# Altium PCB Main_Board.PcbDoc (part 8 of 19) (continued)
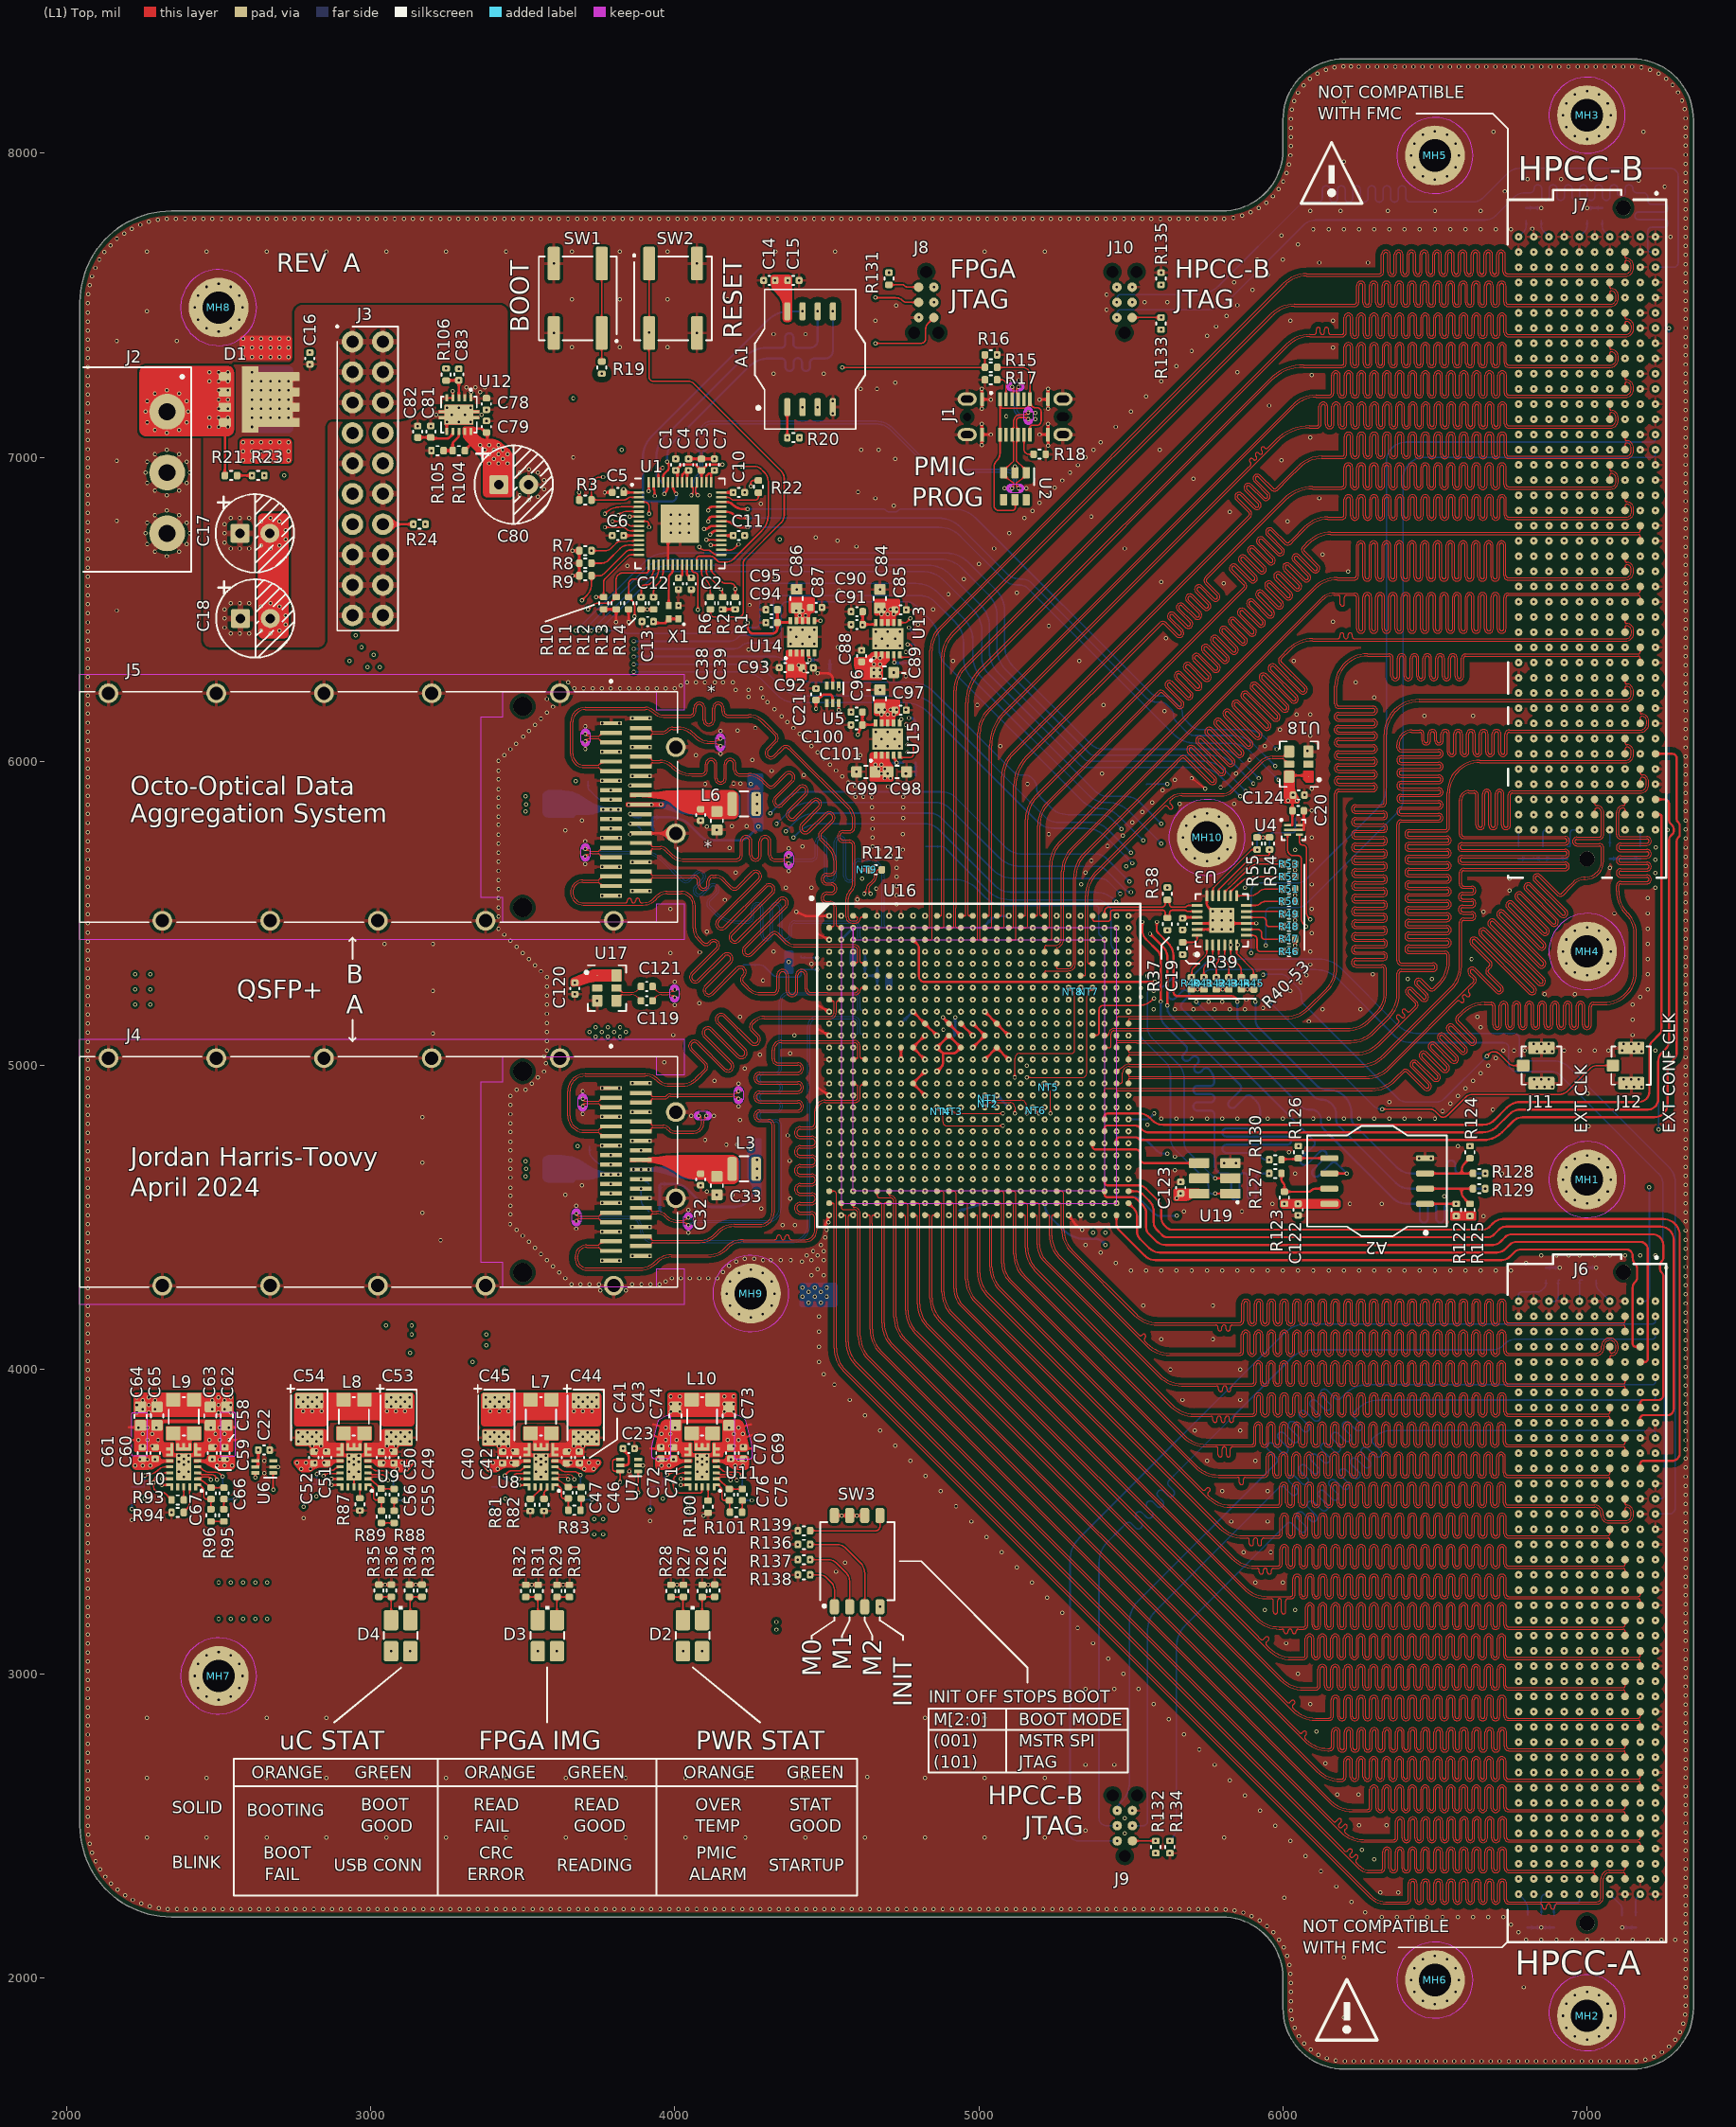
[diagram p0: (L1) Top view]
## Nets (pads, with @x,y where several pads share a name; then routed paths per layer and width w, separated by ;. In a path a pad name is that pad's centre, name@x,y a point inside that pad or via, vN(x,y) a via of type N, cw(c..) or ccw(c..) an arc to the next point about the centre after c; other vN are vias at no path point) (continued)
HPCC_A_46_P: J6.G10 U16.AA17 | length 4082.1
  (L8) Inner 7 w3.5: v1(5137.8,4704.72) 5150.31,4704.72 cw(c5150.31,4701.22) 5152.78,4703.7 cw(c5150.31,4701.22) 5153.81,4701.22 5153.81,4483.77 cw(c5151.33,4483.77) 5153.08,4482.02 ccw(c5154.83,4480.27) 5152.36,4480.27 5152.36,4340.27 ccw(c5261.16,4340.27) 5184.22,4263.33 5670.49,3777.07 ccw(c5747.42,3854) 5747.42,3745.2 6199.33,3745.2 6205.48,3745.2 ccw(c6205.48,3760.75) 6221.03,3760.75 6221.03,3810.85 cw(c6227.78,3810.85) 6234.53,3810.85 6234.53,3760.35 ccw(c6250.08,3760.35) 6265.63,3760.35 6265.63,3810.85 cw(c6272.38,3810.85) 6279.13,3810.85 6279.13,3760.35 ccw(c6294.68,3760.35) 6310.23,3760.35 6310.23,3810.85 cw(c6316.98,3810.85) 6323.73,3810.85 6323.73,3760.35 ccw(c6339.28,3760.35) 6354.83,3760.35 6354.83,3810.85 cw(c6361.58,3810.85) 6368.33,3810.85 6368.33,3760.35 ccw(c6383.88,3760.35) 6399.43,3760.35 6399.43,3810.85 cw(c6406.18,3810.85) 6412.93,3810.85 6412.93,3760.35 ccw(c6428.48,3760.35) 6444.03,3760.35 6444.03,3810.85 cw(c6450.78,3810.85) 6457.53,3810.85 6457.53,3760.35 ccw(c6473.08,3760.35) 6488.63,3760.35 6488.63,3810.85 cw(c6495.38,3810.85) 6502.13,3810.85 6502.13,3760.35 ccw(c6517.68,3760.35) 6533.23,3760.35 6533.23,3810.85 cw(c6539.98,3810.85) 6546.73,3810.85 6546.73,3760.35 ccw(c6562.28,3760.35) 6577.83,3760.35 6577.83,3810.85 cw(c6584.58,3810.85) 6591.33,3810.85 6591.33,3760.35 ccw(c6606.88,3760.35) 6622.43,3760.35 6622.43,3810.85 cw(c6629.18,3810.85) 6635.93,3810.85 6635.93,3760.35 ccw(c6651.48,3760.35) 6667.03,3760.35 6667.03,3810.85 cw(c6673.78,3810.85) 6680.53,3810.85 6680.53,3760.35 ccw(c6696.08,3760.35) 6711.63,3760.35 6711.63,3810.85 cw(c6718.38,3810.85) 6725.13,3810.85 6725.13,3760.75 ccw(c6740.68,3760.75) 6740.68,3745.2 6805,3745.2 6880.8,3745.2 cw(c6880.8,3730) 6896,3730 6896,3718.06 ccw(c6917.86,3718.06) 6917.86,3696.2 6934.16,3696.2 ccw(c6934.16,3716.84) 6954.8,3716.84 6954.8,3729 ccw(c6929,3729) 6929,3754.8 cw(c6929,3758.8) 6925,3758.8 v1(6925,3775)
HPCC_A_47_N: J6.G15 U16.Y16 | length 4064.5
  (L8) Inner 7 w3.5: v1(5098.43,4744.09) 5085.92,4744.09 ccw(c5085.92,4740.59) 5083.44,4743.07 ccw(c5085.92,4740.59) 5082.42,4740.59 5082.42,4299.01 ccw(c5182.42,4299.01) 5111.7,4228.3 5755.71,3584.29 ccw(c5826.42,3655) 5826.42,3555 6193,3555 6202.75,3555 ccw(c6202.75,3561.75) 6209.5,3561.75 6209.5,3574 cw(c6216.25,3574) 6223,3574 6223,3561.75 ccw(c6229.75,3561.75) 6229.75,3555 6245,3555 6295.24,3555 ccw(c6295.24,3561.75) 6301.99,3561.75 6301.99,3612.05 cw(c6317.54,3612.05) 6333.09,3612.05 6333.09,3560.88 ccw(c6339.84,3560.88) 6346.59,3560.88 6346.59,3612.05 cw(c6362.14,3612.05) 6377.69,3612.05 6377.69,3560.88 ccw(c6384.44,3560.88) 6391.19,3560.88 6391.19,3612.05 cw(c6406.74,3612.05) 6422.29,3612.05 6422.29,3560.88 ccw(c6429.04,3560.88) 6435.79,3560.88 6435.79,3612.05 cw(c6451.34,3612.05) 6466.89,3612.05 6466.89,3560.88 ccw(c6473.64,3560.88) 6480.39,3560.88 6480.39,3612.05 cw(c6495.94,3612.05) 6511.49,3612.05 6511.49,3560.88 ccw(c6518.24,3560.88) 6524.99,3560.88 6524.99,3612.05 cw(c6540.54,3612.05) 6556.09,3612.05 6556.09,3560.88 ccw(c6562.84,3560.88) 6569.59,3560.88 6569.59,3612.05 cw(c6585.14,3612.05) 6600.69,3612.05 6600.69,3560.88 ccw(c6607.44,3560.88) 6614.19,3560.88 6614.19,3612.05 cw(c6629.74,3612.05) 6645.29,3612.05 6645.29,3560.88 ccw(c6652.04,3560.88) 6658.79,3560.88 6658.79,3612.05 cw(c6674.34,3612.05) 6689.89,3612.05 6689.89,3560.88 ccw(c6696.64,3560.88) 6703.39,3560.88 6703.39,3612.05 cw(c6718.94,3612.05) 6734.49,3612.05 6734.49,3561.75 ccw(c6741.24,3561.75) 6741.24,3555 6814.29,3555 6877.8,3555 cw(c6877.8,3529) 6903.8,3529 6903.8,3519.2 ccw(c6919,3519.2) 6919,3504 6930,3504 ccw(c6930,3520) 6946,3520 6946,3529 ccw(c6929,3529) 6929,3546 ccw(c6929,3542) 6925,3542 v1(6925,3525)
HPCC_A_47_P: J6.G14 U16.Y15 | length 4065.6
  (L8) Inner 7 w3.5: v1(5059.06,4744.09) 5071.57,4744.09 cw(c5071.57,4740.59) 5074.04,4743.07 cw(c5071.56,4740.59) 5075.07,4740.59 5075.07,4483.77 cw(c5072.59,4483.77) 5074.34,4482.02 ccw(c5076.09,4480.27) 5073.62,4480.27 5073.62,4299.01 ccw(c5182.42,4299.01) 5105.48,4222.07 5749.49,3578.07 ccw(c5826.42,3655) 5826.42,3546.2 6245,3546.2 6295.24,3546.2 ccw(c6295.24,3561.75) 6310.79,3561.75 6310.79,3612.05 cw(c6317.54,3612.05) 6324.29,3612.05 6324.29,3560.88 ccw(c6339.84,3560.88) 6355.39,3560.88 6355.39,3612.05 cw(c6362.14,3612.05) 6368.89,3612.05 6368.89,3560.88 ccw(c6384.44,3560.88) 6399.99,3560.88 6399.99,3612.05 cw(c6406.74,3612.05) 6413.49,3612.05 6413.49,3560.88 ccw(c6429.04,3560.88) 6444.59,3560.88 6444.59,3612.05 cw(c6451.34,3612.05) 6458.09,3612.05 6458.09,3560.88 ccw(c6473.64,3560.88) 6489.19,3560.88 6489.19,3612.05 cw(c6495.94,3612.05) 6502.69,3612.05 6502.69,3560.88 ccw(c6518.24,3560.88) 6533.79,3560.88 6533.79,3612.05 cw(c6540.54,3612.05) 6547.29,3612.05 6547.29,3560.88 ccw(c6562.84,3560.88) 6578.39,3560.88 6578.39,3612.05 cw(c6585.14,3612.05) 6591.89,3612.05 6591.89,3560.88 ccw(c6607.44,3560.88) 6622.99,3560.88 6622.99,3612.05 cw(c6629.74,3612.05) 6636.49,3612.05 6636.49,3560.88 ccw(c6652.04,3560.88) 6667.59,3560.88 6667.59,3612.05 cw(c6674.34,3612.05) 6681.09,3612.05 6681.09,3560.88 ccw(c6696.64,3560.88) 6712.19,3560.88 6712.19,3612.05 cw(c6718.94,3612.05) 6725.69,3612.05 6725.69,3561.75 ccw(c6741.24,3561.75) 6741.24,3546.2 6814.29,3546.2 6877.8,3546.2 cw(c6877.8,3529) 6895,3529 6895,3519.2 ccw(c6919,3519.2) 6919,3495.2 6930,3495.2 ccw(c6930,3520) 6954.8,3520 6954.8,3529 ccw(c6929,3529) 6929,3554.8 cw(c6929,3558.8) 6925,3558.8 v1(6925,3575)
HPCC_A_48_N: J6.G19 U16.AA12 | length 3857.1
  (L8) Inner 7 w3.5: v1(4940.94,4704.72) 4953.45,4704.72 cw(c4953.45,4701.22) 4955.93,4703.7 cw(c4953.45,4701.22) 4956.95,4701.22 4956.95,4295.67 ccw(c5065.75,4295.67) 4988.82,4218.73 5830.09,3377.47 ccw(c5907.02,3454.4) 5907.02,3345.6 6380,3345.6 6386.15,3345.6 ccw(c6386.15,3361.15) 6401.7,3361.15 6401.7,3413.09 cw(c6408.45,3413.09) 6415.2,3413.09 6415.2,3361.07 ccw(c6430.75,3361.07) 6446.3,3361.07 6446.3,3413.09 cw(c6453.05,3413.09) 6459.8,3413.09 6459.8,3361.07 ccw(c6475.35,3361.07) 6490.9,3361.07 6490.9,3413.09 cw(c6497.65,3413.09) 6504.4,3413.09 6504.4,3361.07 ccw(c6519.95,3361.07) 6535.5,3361.07 6535.5,3413.09 cw(c6542.25,3413.09) 6549,3413.09 6549,3361.07 ccw(c6564.55,3361.07) 6580.1,3361.07 6580.1,3413.09 cw(c6586.85,3413.09) 6593.6,3413.09 6593.6,3361.07 ccw(c6609.15,3361.07) 6624.7,3361.07 6624.7,3413.09 cw(c6631.45,3413.09) 6638.2,3413.09 6638.2,3361.07 ccw(c6653.75,3361.07) 6669.3,3361.07 6669.3,3413.09 cw(c6676.05,3413.09) 6682.8,3413.09 6682.8,3361.07 ccw(c6698.35,3361.07) 6713.9,3361.07 6713.9,3413.09 cw(c6720.65,3413.09) 6727.4,3413.09 6727.4,3361.15 ccw(c6742.95,3361.15) 6742.95,3345.6 6805,3345.6 6921.5,3345.6 cw(c6921.5,3342.1) 6923.97,3344.57 cw(c6921.5,3342.1) 6925,3342.1 v1(6925,3325)
HPCC_A_48_P: J6.G18 U16.AA13 | length 3860.5
  (L8) Inner 7 w3.5: v1(4980.31,4704.72) 4967.8,4704.72 ccw(c4967.8,4701.22) 4965.33,4703.7 ccw(c4967.81,4701.22) 4964.3,4701.22 4964.3,4483.77 ccw(c4966.78,4483.77) 4965.03,4482.02 cw(c4963.28,4480.27) 4965.75,4480.27 4965.75,4295.67 ccw(c5065.75,4295.67) 4995.04,4224.96 5836.31,3383.69 ccw(c5907.02,3454.4) 5907.02,3354.4 6320,3354.4 6336.75,3354.4 ccw(c6336.75,3361.15) 6343.5,3361.15 6343.5,3361.88 cw(c6350.25,3361.88) 6357,3361.88 6357,3361.15 ccw(c6363.75,3361.15) 6363.75,3354.4 6379,3354.4 6380,3354.4 6386.15,3354.4 ccw(c6386.15,3361.15) 6392.9,3361.15 6392.9,3413.09 cw(c6408.45,3413.09) 6424,3413.09 6424,3361.07 ccw(c6430.75,3361.07) 6437.5,3361.07 6437.5,3413.09 cw(c6453.05,3413.09) 6468.6,3413.09 6468.6,3361.07 ccw(c6475.35,3361.07) 6482.1,3361.07 6482.1,3413.09 cw(c6497.65,3413.09) 6513.2,3413.09 6513.2,3361.07 ccw(c6519.95,3361.07) 6526.7,3361.07 6526.7,3413.09 cw(c6542.25,3413.09) 6557.8,3413.09 6557.8,3361.07 ccw(c6564.55,3361.07) 6571.3,3361.07 6571.3,3413.09 cw(c6586.85,3413.09) 6602.4,3413.09 6602.4,3361.07 ccw(c6609.15,3361.07) 6615.9,3361.07 6615.9,3413.09 cw(c6631.45,3413.09) 6647,3413.09 6647,3361.07 ccw(c6653.75,3361.07) 6660.5,3361.07 6660.5,3413.09 cw(c6676.05,3413.09) 6691.6,3413.09 6691.6,3361.07 ccw(c6698.35,3361.07) 6705.1,3361.07 6705.1,3413.09 cw(c6720.65,3413.09) 6736.2,3413.09 6736.2,3361.15 ccw(c6742.95,3361.15) 6742.95,3354.4 6805,3354.4 6921.5,3354.4 ccw(c6921.5,3357.9) 6923.97,3355.43 ccw(c6921.5,3357.9) 6925,3357.9 v1(6925,3375)
HPCC_A_49_N: J6.G23 U16.Y10 | length 4146.8
  (L8) Inner 7 w3.5: v1(4862.2,4744.09) 4874.71,4744.09 cw(c4874.71,4740.59) 4877.19,4743.07 cw(c4874.71,4740.59) 4878.21,4740.59 4878.21,4254.41 ccw(c4987.01,4254.41) 4910.08,4177.47 5910.09,3177.47 ccw(c5987.02,3254.4) 5987.02,3145.6 6311.29,3145.6 6340.6,3145.6 ccw(c6340.6,3161.15) 6356.15,3161.15 6356.15,3209.18 cw(c6362.9,3209.18) 6369.65,3209.18 6369.65,3160.73 ccw(c6385.2,3160.73) 6400.75,3160.73 6400.75,3209.18 cw(c6407.5,3209.18) 6414.25,3209.18 6414.25,3160.73 ccw(c6429.8,3160.73) 6445.35,3160.73 6445.35,3209.18 cw(c6452.1,3209.18) 6458.85,3209.18 6458.85,3160.73 ccw(c6474.4,3160.73) 6489.95,3160.73 6489.95,3209.18 cw(c6496.7,3209.18) 6503.45,3209.18 6503.45,3160.73 ccw(c6519,3160.73) 6534.55,3160.73 6534.55,3209.18 cw(c6541.3,3209.18) 6548.05,3209.18 6548.05,3160.73 ccw(c6563.6,3160.73) 6579.15,3160.73 6579.15,3209.18 cw(c6585.9,3209.18) 6592.65,3209.18 6592.65,3160.73 ccw(c6608.2,3160.73) 6623.75,3160.73 6623.75,3209.18 cw(c6630.5,3209.18) 6637.25,3209.18 6637.25,3160.73 ccw(c6652.8,3160.73) 6668.35,3160.73 6668.35,3209.18 cw(c6675.1,3209.18) 6681.85,3209.18 6681.85,3160.73 ccw(c6697.4,3160.73) 6712.95,3160.73 6712.95,3209.18 cw(c6719.7,3209.18) 6726.45,3209.18 6726.45,3161.15 ccw(c6742,3161.15) 6742,3145.6 6815.05,3145.6 6921.5,3145.6 cw(c6921.5,3142.1) 6923.97,3144.57 cw(c6921.5,3142.1) 6925,3142.1 v1(6925,3125)
HPCC_A_49_P: J6.G22 U16.Y11 | length 4133.4
  (L8) Inner 7 w3.5: v1(4901.57,4744.09) 4889.06,4744.09 ccw(c4889.06,4740.59) 4886.59,4743.07 ccw(c4889.06,4740.59) 4885.56,4740.59 4885.56,4483.77 ccw(c4888.04,4483.77) 4886.29,4482.02 cw(c4884.54,4480.27) 4887.01,4480.27 4887.01,4254.41 ccw(c4987.01,4254.41) 4916.3,4183.7 5916.31,3183.69 ccw(c5987.02,3254.4) 5987.02,3154.4 6311.29,3154.4 6340.6,3154.4 ccw(c6340.6,3161.15) 6347.35,3161.15 6347.35,3209.18 cw(c6362.9,3209.18) 6378.45,3209.18 6378.45,3160.73 ccw(c6385.2,3160.73) 6391.95,3160.73 6391.95,3209.18 cw(c6407.5,3209.18) 6423.05,3209.18 6423.05,3160.73 ccw(c6429.8,3160.73) 6436.55,3160.73 6436.55,3209.18 cw(c6452.1,3209.18) 6467.65,3209.18 6467.65,3160.73 ccw(c6474.4,3160.73) 6481.15,3160.73 6481.15,3209.18 cw(c6496.7,3209.18) 6512.25,3209.18 6512.25,3160.73 ccw(c6519,3160.73) 6525.75,3160.73 6525.75,3209.18 cw(c6541.3,3209.18) 6556.85,3209.18 6556.85,3160.73 ccw(c6563.6,3160.73) 6570.35,3160.73 6570.35,3209.18 cw(c6585.9,3209.18) 6601.45,3209.18 6601.45,3160.73 ccw(c6608.2,3160.73) 6614.95,3160.73 6614.95,3209.18 cw(c6630.5,3209.18) 6646.05,3209.18 6646.05,3160.73 ccw(c6652.8,3160.73) 6659.55,3160.73 6659.55,3209.18 cw(c6675.1,3209.18) 6690.65,3209.18 6690.65,3160.73 ccw(c6697.4,3160.73) 6704.15,3160.73 6704.15,3209.18 cw(c6719.7,3209.18) 6735.25,3209.18 6735.25,3161.15 ccw(c6742,3161.15) 6742,3154.4 6815.05,3154.4 6921.5,3154.4 ccw(c6921.5,3157.9) 6923.97,3155.43 ccw(c6921.5,3157.9) 6925,3157.9 v1(6925,3175)
HPCC_A_50_N: J6.G27 U16.Y7 | length 4184.4
  (L8) Inner 7 w3.5: v1(4744.09,4744.09) 4744.09,4730.49 ccw(c4751.93,4730.49) 4751.93,4722.65 4787,4722.65 cw(c4787,4710.12) 4799.53,4710.12 4799.53,4213.1 ccw(c4908.33,4213.1) 4831.39,4136.16 5990.09,2977.47 ccw(c6067.02,3054.4) 6067.02,2945.6 6427.54,2945.6 6433.69,2945.6 ccw(c6433.69,2961.15) 6449.24,2961.15 6449.24,3012.72 cw(c6455.99,3012.72) 6462.74,3012.72 6462.74,2959.49 ccw(c6478.29,2959.49) 6493.84,2959.49 6493.84,3012.72 cw(c6500.59,3012.72) 6507.34,3012.72 6507.34,2959.49 ccw(c6522.89,2959.49) 6538.44,2959.49 6538.44,3012.72 cw(c6545.19,3012.72) 6551.94,3012.72 6551.94,2959.49 ccw(c6567.49,2959.49) 6583.04,2959.49 6583.04,3012.72 cw(c6589.79,3012.72) 6596.54,3012.72 6596.54,2959.49 ccw(c6612.09,2959.49) 6627.64,2959.49 6627.64,3012.72 cw(c6634.39,3012.72) 6641.14,3012.72 6641.14,2959.49 ccw(c6656.69,2959.49) 6672.24,2959.49 6672.24,3012.72 cw(c6678.99,3012.72) 6685.74,3012.72 6685.74,2959.49 ccw(c6701.29,2959.49) 6716.84,2959.49 6716.84,3012.72 cw(c6723.59,3012.72) 6730.34,3012.72 6730.34,2961.15 ccw(c6745.89,2961.15) 6745.89,2945.6 6785,2945.6 6921.5,2945.6 cw(c6921.5,2942.1) 6923.97,2944.57 cw(c6921.5,2942.1) 6925,2942.1 v1(6925,2925)
HPCC_A_50_P: J6.G26 U16.Y8 | length 4203.6
  (L8) Inner 7 w3.5: v1(4783.46,4744.09) 4783.46,4733.54 ccw(c4787,4733.54) 4787,4730 cw(c4787,4710.12) 4806.88,4710.12 4806.88,4483.77 ccw(c4809.35,4483.77) 4807.6,4482.02 cw(c4805.85,4480.27) 4808.33,4480.27 4808.33,4213.1 ccw(c4908.33,4213.1) 4837.62,4142.38 5996.31,2983.69 ccw(c6067.02,3054.4) 6067.02,2954.4 6345,2954.4 6356.75,2954.4 ccw(c6356.75,2961.15) 6363.5,2961.15 6363.5,2969.22 cw(c6370.25,2969.22) 6377,2969.22 6377,2959.7 ccw(c6383.75,2959.7) 6390.5,2959.7 6390.5,2969.22 cw(c6397.25,2969.22) 6404,2969.22 6404,2961.15 ccw(c6410.75,2961.15) 6410.75,2954.4 6426,2954.4 6427.54,2954.4 6433.69,2954.4 ccw(c6433.69,2961.15) 6440.44,2961.15 6440.44,3012.72 cw(c6455.99,3012.72) 6471.54,3012.72 6471.54,2959.49 ccw(c6478.29,2959.49) 6485.04,2959.49 6485.04,3012.72 cw(c6500.59,3012.72) 6516.14,3012.72 6516.14,2959.49 ccw(c6522.89,2959.49) 6529.64,2959.49 6529.64,3012.72 cw(c6545.19,3012.72) 6560.74,3012.72 6560.74,2959.49 ccw(c6567.49,2959.49) 6574.24,2959.49 6574.24,3012.72 cw(c6589.79,3012.72) 6605.34,3012.72 6605.34,2959.49 ccw(c6612.09,2959.49) 6618.84,2959.49 6618.84,3012.72 cw(c6634.39,3012.72) 6649.94,3012.72 6649.94,2959.49 ccw(c6656.69,2959.49) 6663.44,2959.49 6663.44,3012.72 cw(c6678.99,3012.72) 6694.54,3012.72 6694.54,2959.49 ccw(c6701.29,2959.49) 6708.04,2959.49 6708.04,3012.72 cw(c6723.59,3012.72) 6739.14,3012.72 6739.14,2961.15 ccw(c6745.89,2961.15) 6745.89,2954.4 6785,2954.4 6921.5,2954.4 ccw(c6921.5,2957.9) 6923.97,2955.43 ccw(c6921.5,2957.9) 6925,2957.9 v1(6925,2975)
HPCC_A_51_N: J6.G31 U16.W5 | length 4045.5
  (L8) Inner 7 w3.5: v1(4665.35,4783.46) 4665.35,4769.94 ccw(c4673.64,4769.94) 4673.64,4761.65 4708,4761.65 cw(c4708,4748.65) 4721,4748.65 4721,4171.62 ccw(c4829.8,4171.62) 4752.87,4094.69 6070.09,2777.47 ccw(c6147.02,2854.4) 6147.02,2745.6 6513.82,2745.6 6519.97,2745.6 ccw(c6519.97,2761.15) 6535.52,2761.15 6535.52,2803.83 cw(c6542.27,2803.83) 6549.02,2803.83 6549.02,2760.87 ccw(c6564.57,2760.87) 6580.12,2760.87 6580.12,2803.83 cw(c6586.87,2803.83) 6593.62,2803.83 6593.62,2760.87 ccw(c6609.17,2760.87) 6624.72,2760.87 6624.72,2803.83 cw(c6631.47,2803.83) 6638.22,2803.83 6638.22,2760.87 ccw(c6653.77,2760.87) 6669.32,2760.87 6669.32,2803.83 cw(c6676.07,2803.83) 6682.82,2803.83 6682.82,2760.87 ccw(c6698.37,2760.87) 6713.92,2760.87 6713.92,2803.83 cw(c6720.67,2803.83) 6727.42,2803.83 6727.42,2761.15 ccw(c6742.97,2761.15) 6742.97,2745.6 6791,2745.6 6921.5,2745.6 cw(c6921.5,2742.1) 6923.97,2744.57 cw(c6921.5,2742.1) 6925,2742.1 v1(6925,2725)
HPCC_A_51_P: J6.G30 U16.W6 | length 4029.5
  (L8) Inner 7 w3.5: v1(4704.72,4783.46) 4704.72,4772.28 ccw(c4708,4772.28) 4708,4769 cw(c4708,4748.65) 4728.35,4748.65 4728.35,4483.77 ccw(c4730.83,4483.77) 4729.07,4482.02 ; 4729.08,4482.02 cw(c4727.32,4480.27) 4729.8,4480.27 4729.8,4171.62 ccw(c4829.8,4171.62) 4759.09,4100.91 6076.31,2783.69 ccw(c6147.02,2854.4) 6147.02,2754.4 6458,2754.4 6469.86,2754.4 ccw(c6469.86,2761.15) 6476.61,2761.15 6476.61,2768.67 cw(c6483.36,2768.67) 6490.11,2768.67 6490.11,2761.15 ccw(c6496.86,2761.15) 6496.86,2754.4 6512.11,2754.4 6513.82,2754.4 6519.97,2754.4 ccw(c6519.97,2761.15) 6526.72,2761.15 6526.72,2803.83 cw(c6542.27,2803.83) 6557.82,2803.83 6557.82,2760.87 ccw(c6564.57,2760.87) 6571.32,2760.87 6571.32,2803.83 cw(c6586.87,2803.83) 6602.42,2803.83 6602.42,2760.87 ccw(c6609.17,2760.87) 6615.92,2760.87 6615.92,2803.83 cw(c6631.47,2803.83) 6647.02,2803.83 6647.02,2760.87 ccw(c6653.77,2760.87) 6660.52,2760.87 6660.52,2803.83 cw(c6676.07,2803.83) 6691.62,2803.83 6691.62,2760.87 ccw(c6698.37,2760.87) 6705.12,2760.87 6705.12,2803.83 cw(c6720.67,2803.83) 6736.22,2803.83 6736.22,2761.15 ccw(c6742.97,2761.15) 6742.97,2754.4 6791,2754.4 6921.5,2754.4 ccw(c6921.5,2757.9) 6923.97,2755.43 ccw(c6921.5,2757.9) 6925,2757.9 v1(6925,2775)
HPCC_A_52_N: J6.G35 U16.AB4 | length 3959.8
  (L8) Inner 7 w3.5: v1(4625.98,4665.35) 4637.32,4665.35 cw(c4637.32,4660.35) 4642.32,4660.35 4642.32,4601.75 4642.32,4485 4642.32,4130.31 ccw(c4751.12,4130.31) 4674.18,4053.37 6150.09,2577.47 ccw(c6227.02,2654.4) 6227.02,2545.6 6537.47,2545.6 6592.47,2545.6 6603.39,2545.6 6609.54,2545.6 ccw(c6609.54,2561.15) 6625.09,2561.15 6625.09,2620.42 cw(c6631.84,2620.42) 6638.59,2620.42 6638.59,2560.32 ccw(c6654.14,2560.32) 6669.69,2560.32 6669.69,2620.42 cw(c6676.44,2620.42) 6683.19,2620.42 6683.19,2560.32 ccw(c6698.74,2560.32) 6714.29,2560.32 6714.29,2620.42 cw(c6721.04,2620.42) 6727.79,2620.42 6727.79,2561.15 ccw(c6743.34,2561.15) 6743.34,2545.6 6767,2545.6 6921.5,2545.6 cw(c6921.5,2542.1) 6923.97,2544.57 cw(c6921.5,2542.1) 6925,2542.1 v1(6925,2525)
HPCC_A_52_P: J6.G34 U16.AA4 | length 3991.1
  (L8) Inner 7 w3.5: v1(4625.98,4704.72) 4640.09,4704.72 cw(c4640.09,4695.15) 4649.67,4695.15 4649.67,4601.82 4649.67,4485 4649.67,4483.77 ccw(c4652.14,4483.77) 4650.39,4482.02 cw(c4648.64,4480.27) 4651.12,4480.27 4651.12,4130.31 ccw(c4751.12,4130.31) 4680.41,4059.59 6156.31,2583.69 ccw(c6227.02,2654.4) 6227.02,2554.4 6603.39,2554.4 6609.54,2554.4 ccw(c6609.54,2561.15) 6616.29,2561.15 6616.29,2620.42 cw(c6631.84,2620.42) 6647.39,2620.42 6647.39,2560.32 ccw(c6654.14,2560.32) 6660.89,2560.32 6660.89,2620.42 cw(c6676.44,2620.42) 6691.99,2620.42 6691.99,2560.32 ccw(c6698.74,2560.32) 6705.49,2560.32 6705.49,2620.42 cw(c6721.04,2620.42) 6736.59,2620.42 6736.59,2561.15 ccw(c6743.34,2561.15) 6743.34,2554.4 6767,2554.4 6921.5,2554.4 ccw(c6921.5,2557.9) 6923.97,2555.43 ccw(c6921.5,2557.9) 6925,2557.9 v1(6925,2575)
HPCC_A_53_N: J6.G39 U16.AC1 | length 3750.8
  (L10) Inner 9 w3.5: v1(4507.87,4625.98) 4518.33,4625.98 cw(c4518.33,4620.31) 4524,4620.31 4524,4068.62 ccw(c4632.8,4068.62) 4555.87,3991.69 6170.09,2377.47 ccw(c6247.02,2454.4) 6247.02,2345.6 6670.4,2345.6 6698.85,2345.6 cw(c6698.85,2338.85) 6705.6,2338.85 6705.6,2337.12 ccw(c6721.15,2337.12) 6736.7,2337.12 6736.7,2338.85 cw(c6743.45,2338.85) 6743.45,2345.6 6780,2345.6 6921.5,2345.6 cw(c6921.5,2342.1) 6923.97,2344.57 cw(c6921.5,2342.1) 6925,2342.1 v1(6925,2325)
HPCC_A_53_P: J6.G38 U16.AB1 | length 3782.2
  (L10) Inner 9 w3.5: v1(4507.87,4665.35) 4521.19,4665.35 cw(c4521.19,4655.19) 4531.35,4655.19 4531.35,4483.77 ccw(c4533.83,4483.77) 4532.07,4482.02 ; 4532.08,4482.02 cw(c4530.32,4480.27) 4532.8,4480.27 4532.8,4068.62 ccw(c4632.8,4068.62) 4562.09,3997.91 6176.31,2383.69 ccw(c6247.02,2454.4) 6247.02,2354.4 6670.4,2354.4 6698.85,2354.4 cw(c6698.85,2338.85) 6714.4,2338.85 6714.4,2337.12 ccw(c6721.15,2337.12) 6727.9,2337.12 6727.9,2338.85 cw(c6743.45,2338.85) 6743.45,2354.4 6780,2354.4 6921.5,2354.4 ccw(c6921.5,2357.9) 6923.97,2355.43 ccw(c6921.5,2357.9) 6925,2357.9 v1(6925,2375)
HPCC_A_54_N: J6.H5 U16.W19 | length 3991.9
  (L8) Inner 7 w3.5: v1(5216.54,4783.46) 5216.54,4772.18 ccw(c5221.28,4772.18) 5221.28,4767.44 5257.48,4767.44 cw(c5257.48,4745.56) 5279.35,4745.56 5279.35,4402.07 ccw(c5379.35,4402.07) 5308.64,4331.36 5555.71,4084.29 ccw(c5626.42,4155) 5626.42,4055 6116.91,4055 6130.75,4055 ccw(c6130.75,4061.75) 6137.5,4061.75 6137.5,4073.59 cw(c6144.25,4073.59) 6151,4073.59 6151,4060.3 ccw(c6157.75,4060.3) 6164.5,4060.3 6164.5,4073.59 cw(c6171.25,4073.59) 6178,4073.59 6178,4061.75 ccw(c6184.75,4061.75) 6184.75,4055 6200,4055 6200.95,4055 6207.1,4055 ccw(c6207.1,4061.75) 6213.85,4061.75 6213.85,4114.92 cw(c6229.4,4114.92) 6244.95,4114.92 6244.95,4060.93 ccw(c6251.7,4060.93) 6258.45,4060.93 6258.45,4114.92 cw(c6274,4114.92) 6289.55,4114.92 6289.55,4060.93 ccw(c6296.3,4060.93) 6303.05,4060.93 6303.05,4114.92 cw(c6318.6,4114.92) 6334.15,4114.92 6334.15,4060.93 ccw(c6340.9,4060.93) 6347.65,4060.93 6347.65,4114.92 cw(c6363.2,4114.92) 6378.75,4114.92 6378.75,4060.93 ccw(c6385.5,4060.93) 6392.25,4060.93 6392.25,4114.92 cw(c6407.8,4114.92) 6423.35,4114.92 6423.35,4060.93 ccw(c6430.1,4060.93) 6436.85,4060.93 6436.85,4114.92 cw(c6452.4,4114.92) 6467.95,4114.92 6467.95,4060.93 ccw(c6474.7,4060.93) 6481.45,4060.93 6481.45,4114.92 cw(c6497,4114.92) 6512.55,4114.92 6512.55,4060.93 ccw(c6519.3,4060.93) 6526.05,4060.93 6526.05,4114.92 cw(c6541.6,4114.92) 6557.15,4114.92 6557.15,4060.93 ccw(c6563.9,4060.93) 6570.65,4060.93 6570.65,4114.92 cw(c6586.2,4114.92) 6601.75,4114.92 6601.75,4060.93 ccw(c6608.5,4060.93) 6615.25,4060.93 6615.25,4114.92 cw(c6630.8,4114.92) 6646.35,4114.92 6646.35,4060.93 ccw(c6653.1,4060.93) 6659.85,4060.93 6659.85,4114.92 cw(c6675.4,4114.92) 6690.95,4114.92 6690.95,4060.93 ccw(c6697.7,4060.93) 6704.45,4060.93 6704.45,4114.92 cw(c6720,4114.92) 6735.55,4114.92 6735.55,4061.75 ccw(c6742.3,4061.75) 6742.3,4055 6803,4055 6830.8,4055 cw(c6830.8,4031) 6854.8,4031 6854.8,4018.2 ccw(c6868,4018.2) 6868,4005 6883,4005 ccw(c6883,4018) 6896,4018 6896,4030 ccw(c6880,4030) 6880,4046 ccw(c6880,4041) 6875,4041 v1(6875,4025)
HPCC_A_54_P: J6.H4 U16.W18 | length 3985.5
  (L8) Inner 7 w3.5: v1(5177.17,4783.46) 5177.17,4768.38 ccw(c5185.45,4768.38) 5185.45,4760.09 5257.48,4760.09 cw(c5257.48,4745.56) 5272,4745.56 5272,4483.77 cw(c5269.52,4483.77) 5271.28,4482.02 ; 5271.27,4482.02 ccw(c5273.03,4480.27) 5270.55,4480.27 5270.55,4402.07 ccw(c5379.35,4402.07) 5302.42,4325.14 5549.49,4078.07 ccw(c5626.42,4155) 5626.42,4046.2 6200.95,4046.2 6207.1,4046.2 ccw(c6207.1,4061.75) 6222.65,4061.75 6222.65,4114.92 cw(c6229.4,4114.92) 6236.15,4114.92 6236.15,4060.93 ccw(c6251.7,4060.93) 6267.25,4060.93 6267.25,4114.92 cw(c6274,4114.92) 6280.75,4114.92 6280.75,4060.93 ccw(c6296.3,4060.93) 6311.85,4060.93 6311.85,4114.92 cw(c6318.6,4114.92) 6325.35,4114.92 6325.35,4060.93 ccw(c6340.9,4060.93) 6356.45,4060.93 6356.45,4114.92 cw(c6363.2,4114.92) 6369.95,4114.92 6369.95,4060.93 ccw(c6385.5,4060.93) 6401.05,4060.93 6401.05,4114.92 cw(c6407.8,4114.92) 6414.55,4114.92 6414.55,4060.93 ccw(c6430.1,4060.93) 6445.65,4060.93 6445.65,4114.92 cw(c6452.4,4114.92) 6459.15,4114.92 6459.15,4060.93 ccw(c6474.7,4060.93) 6490.25,4060.93 6490.25,4114.92 cw(c6497,4114.92) 6503.75,4114.92 6503.75,4060.93 ccw(c6519.3,4060.93) 6534.85,4060.93 6534.85,4114.92 cw(c6541.6,4114.92) 6548.35,4114.92 6548.35,4060.93 ccw(c6563.9,4060.93) 6579.45,4060.93 6579.45,4114.92 cw(c6586.2,4114.92) 6592.95,4114.92 6592.95,4060.93 ccw(c6608.5,4060.93) 6624.05,4060.93 6624.05,4114.92 cw(c6630.8,4114.92) 6637.55,4114.92 6637.55,4060.93 ccw(c6653.1,4060.93) 6668.65,4060.93 6668.65,4114.92 cw(c6675.4,4114.92) 6682.15,4114.92 6682.15,4060.93 ccw(c6697.7,4060.93) 6713.25,4060.93 6713.25,4114.92 cw(c6720,4114.92) 6726.75,4114.92 6726.75,4061.75 ccw(c6742.3,4061.75) 6742.3,4046.2 6803,4046.2 6830.8,4046.2 cw(c6830.8,4031) 6846,4031 6846,4018.2 ccw(c6868,4018.2) 6868,3996.2 6883,3996.2 ccw(c6883,4018) 6904.8,4018 6904.8,4030 ccw(c6880,4030) 6880,4054.8 cw(c6880,4059.8) 6875,4059.8 v1(6875,4075)
HPCC_A_55_N: J6.H9 U16.Y18 | length 3898.8
  (L8) Inner 7 w3.5: v1(5177.17,4744.09) 5177.17,4732.83 ccw(c5181,4732.83) 5181,4729 cw(c5181,4709.44) 5200.56,4709.44 5200.56,4360.86 ccw(c5300.56,4360.86) 5229.85,4290.15 5636.71,3883.29 ccw(c5707.42,3954) 5707.42,3854 6118.05,3854 6130.75,3854 ccw(c6130.75,3860.75) 6137.5,3860.75 6137.5,3868.54 cw(c6144.25,3868.54) 6151,3868.54 6151,3859.3 ccw(c6157.75,3859.3) 6164.5,3859.3 6164.5,3868.54 cw(c6171.25,3868.54) 6178,3868.54 6178,3860.75 ccw(c6184.75,3860.75) 6184.75,3854 6200,3854 6200.71,3854 6206.86,3854 ccw(c6206.86,3860.75) 6213.61,3860.75 6213.61,3906.74 cw(c6229.16,3906.74) 6244.71,3906.74 6244.71,3860.5 ccw(c6251.46,3860.5) 6258.21,3860.5 6258.21,3906.74 cw(c6273.76,3906.74) 6289.31,3906.74 6289.31,3860.5 ccw(c6296.06,3860.5) 6302.81,3860.5 6302.81,3906.74 cw(c6318.36,3906.74) 6333.91,3906.74 6333.91,3860.5 ccw(c6340.66,3860.5) 6347.41,3860.5 6347.41,3906.74 cw(c6362.96,3906.74) 6378.51,3906.74 6378.51,3860.5 ccw(c6385.26,3860.5) 6392.01,3860.5 6392.01,3906.74 cw(c6407.56,3906.74) 6423.11,3906.74 6423.11,3860.5 ccw(c6429.86,3860.5) 6436.61,3860.5 6436.61,3906.74 cw(c6452.16,3906.74) 6467.71,3906.74 6467.71,3860.5 ccw(c6474.46,3860.5) 6481.21,3860.5 6481.21,3906.74 cw(c6496.76,3906.74) 6512.31,3906.74 6512.31,3860.5 ccw(c6519.06,3860.5) 6525.81,3860.5 6525.81,3906.74 cw(c6541.36,3906.74) 6556.91,3906.74 6556.91,3860.5 ccw(c6563.66,3860.5) 6570.41,3860.5 6570.41,3906.74 cw(c6585.96,3906.74) 6601.51,3906.74 6601.51,3860.5 ccw(c6608.26,3860.5) 6615.01,3860.5 6615.01,3906.74 cw(c6630.56,3906.74) 6646.11,3906.74 6646.11,3860.5 ccw(c6652.86,3860.5) 6659.61,3860.5 6659.61,3906.74 cw(c6675.16,3906.74) 6690.71,3906.74 6690.71,3860.5 ccw(c6697.46,3860.5) 6704.21,3860.5 6704.21,3906.74 cw(c6719.76,3906.74) 6735.31,3906.74 6735.31,3860.75 ccw(c6742.06,3860.75) 6742.06,3854 6806,3854 6830.8,3854 cw(c6830.8,3831) 6853.8,3831 6853.8,3818.2 ccw(c6868,3818.2) 6868,3804 6880.79,3804 ccw(c6880.79,3818.21) 6895,3818.21 6895,3830 ccw(c6879,3830) 6879,3846 ccw(c6879,3842) 6875,3842 v1(6875,3825)
HPCC_A_55_P: J6.H8 U16.Y17 | length 3908.3
  (L8) Inner 7 w3.5: v1(5137.8,4744.09) 5137.8,4729.82 ccw(c5145.97,4729.82) 5145.97,4721.65 5181,4721.65 cw(c5181,4709.44) 5193.21,4709.44 5193.21,4483.77 cw(c5190.73,4483.77) 5192.48,4482.02 ccw(c5194.23,4480.27) 5191.76,4480.27 5191.76,4360.86 ccw(c5300.56,4360.86) 5223.62,4283.93 5630.49,3877.07 ccw(c5707.42,3954) 5707.42,3845.2 6200.71,3845.2 6206.86,3845.2 ccw(c6206.86,3860.75) 6222.41,3860.75 6222.41,3906.74 cw(c6229.16,3906.74) 6235.91,3906.74 6235.91,3860.5 ccw(c6251.46,3860.5) 6267.01,3860.5 6267.01,3906.74 cw(c6273.76,3906.74) 6280.51,3906.74 6280.51,3860.5 ccw(c6296.06,3860.5) 6311.61,3860.5 6311.61,3906.74 cw(c6318.36,3906.74) 6325.11,3906.74 6325.11,3860.5 ccw(c6340.66,3860.5) 6356.21,3860.5 6356.21,3906.74 cw(c6362.96,3906.74) 6369.71,3906.74 6369.71,3860.5 ccw(c6385.26,3860.5) 6400.81,3860.5 6400.81,3906.74 cw(c6407.56,3906.74) 6414.31,3906.74 6414.31,3860.5 ccw(c6429.86,3860.5) 6445.41,3860.5 6445.41,3906.74 cw(c6452.16,3906.74) 6458.91,3906.74 6458.91,3860.5 ccw(c6474.46,3860.5) 6490.01,3860.5 6490.01,3906.74 cw(c6496.76,3906.74) 6503.51,3906.74 6503.51,3860.5 ccw(c6519.06,3860.5) 6534.61,3860.5 6534.61,3906.74 cw(c6541.36,3906.74) 6548.11,3906.74 6548.11,3860.5 ccw(c6563.66,3860.5) 6579.21,3860.5 6579.21,3906.74 cw(c6585.96,3906.74) 6592.71,3906.74 6592.71,3860.5 ccw(c6608.26,3860.5) 6623.81,3860.5 6623.81,3906.74 cw(c6630.56,3906.74) 6637.31,3906.74 6637.31,3860.5 ccw(c6652.86,3860.5) 6668.41,3860.5 6668.41,3906.74 cw(c6675.16,3906.74) 6681.91,3906.74 6681.91,3860.5 ccw(c6697.46,3860.5) 6713.01,3860.5 6713.01,3906.74 cw(c6719.76,3906.74) 6726.51,3906.74 6726.51,3860.75 ccw(c6742.06,3860.75) 6742.06,3845.2 6806,3845.2 6830.8,3845.2 cw(c6830.8,3831) 6845,3831 6845,3818.2 ccw(c6868,3818.2) 6868,3795.2 6880.79,3795.2 ccw(c6880.79,3818.21) 6903.8,3818.21 6903.8,3830 ccw(c6879,3830) 6879,3854.8 cw(c6879,3858.8) 6875,3858.8 v1(6875,3875)